# KiCad board MCU_Bottom.kicad_pcb (continued)
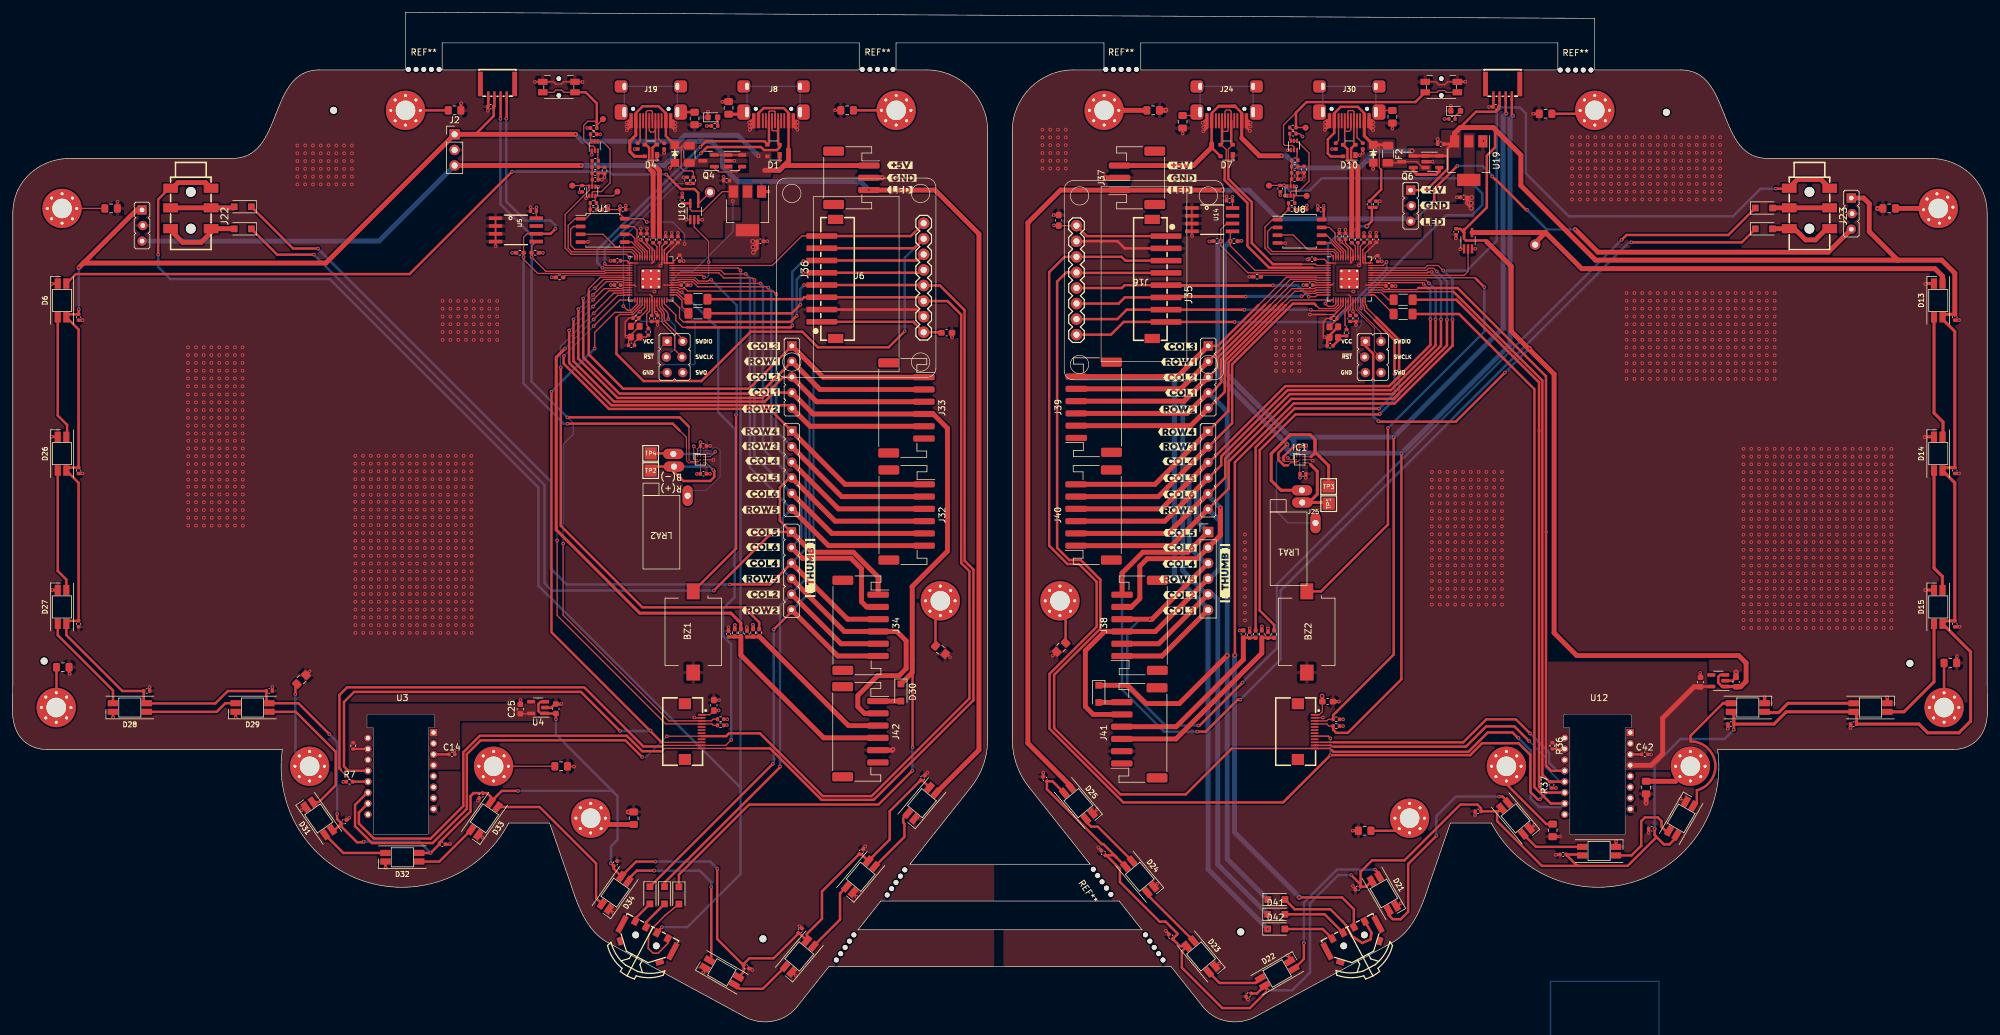
[diagram p0: board, top side]
## Routing (per net, layer and track width the routed paths; a pad name or vN(x,y) marks a point on that pad's centre or on a via; arc(x,y) is an arc through that point) (continued)
/Left/FLASH_nCS: length 21.6
  Top w0.2: U2.56 101.52,125.13 100.91,125.74 91.24,125.74 90.64,126.34 90.64,130.04 91.74,131.14 U1.1 93.47,131.14 94.23,131.91 R2.2 R34.1
/Left/FLASH_SCK: length 5.8
  Top w0.2: U1.6 100.85,128.6 101.51,127.94 101.51,127.34 103.12,125.73 U2.52
/Left/FLASH_SD0: length 4.4
  Top w0.2: U2.53 102.72,125.63 101.02,127.33 U1.5
/Left/FLASH_SD1: length 16.5
  Top w0.2: U2.55 101.92,125.28 101.06,126.14 91.69,126.14 91.04,126.79 91.04,129.41 91.5,129.87 92.66,129.87
/Left/FLASH_SD2: length 11.7
  Top w0.2: U1.3 96.32,128.6 98.44,126.49 101.31,126.49 102.32,125.48 U2.54
/Left/FLASH_SD3: length 7.5
  Top w0.2: 99.86,129.87 101.33,129.87 101.86,129.34 101.86,127.46 103.52,125.81 U2.51
/Left/nRST: length 52.2
  Top w0.2: U2.26 105.92,117.21 arc(105.99,116.82) 106.21,116.5 106.67,116.03 arc(106.89,115.71) 106.97,115.33 v1(106.97,114.79) ; TP6.1 91.3,136.55 R26.2 93.88,136.55 Q3.6 94.07,135.77 90.14,131.84 90.14,126.35 91.15,125.34 100.15,125.34 v1(100.64,124.84)
  Bottom w0.2: 102.02,114.77 101.94,114.84 ; 101.94,114.84 102.1,114.68 arc(102.42,114.47) 102.8,114.39 106.15,114.39 arc(106.53,114.47) 106.86,114.68 v1(106.97,114.79) 107.94,113.81 arc(108.05,113.65) 108.09,113.46 108.09,110.24 arc(108.05,110.05) 107.94,109.89 J17.3 ; 101.94,114.84 100.93,115.85 arc(100.72,116.17) 100.64,116.56 v1(100.64,124.84)
/Left/SWITCH: length 23.9
  Top w0.2: 95.3,146.4 95.33,146.4 TP5.1 ; 95.3,146.4 R22.2 ; 95.3,146.4 95.3,146.76 95.02,147.04 93.84,147.04 93.17,146.37 93.17,143.99 94.17,142.99 94.72,142.99 94.97,142.74 Q2.2 ; K1.2 88.29,151.77 88.67,152.14 89.57,152.14 89.94,151.77 K1.2
  Top w0.4: K1.2 93.49,151.77 95.3,149.96 R22.2
/Right/BOOT_R: length 3.4
  Top w0.2: R60.2 208.92,133.88 Q5.3 211.02,134.89 TP10.1
/Right/FLASH_nCS_R: length 21.4
  Top w0.2: U9.56 215.39,124.93 214.94,125.39 205.19,125.39 204.24,126.34 204.24,129.79 205.44,130.99 U8.1 206.41,130.99 R9.2 R60.1
/Right/FLASH_SCK_R: length 5.6
  Top w0.2: U8.6 214.31,128.45 216.99,125.77 U9.52
/Right/FLASH_SD0_R: length 4.7
  Top w0.2: U8.5 215.09,127.18 216.59,125.68 U9.53
/Right/FLASH_SD1_R: length 16.6
  Top w0.2: U9.55 215.79,125.38 215.39,125.79 205.44,125.79 204.69,126.54 204.69,129.09 205.32,129.72 U8.2
/Right/FLASH_SD2_R: length 11.9
  Top w0.2: U9.54 216.19,125.48 215.54,126.14 211.19,126.14 208.84,128.49 206.32,128.49 U8.3
/Right/FLASH_SD3_R: length 7.3
  Top w0.2: U9.51 217.39,125.84 215.69,127.54 215.69,128.78 214.75,129.72 U8.7
/Right/nRST_R: length 77.2
  Top w0.13: v1(219.91,116.56) 219.79,116.68 U9.26
  Top w0.2: TP9.1 204.93,136.58 R52.2 v1(207.35,136.58) 207.73,136.58 207.92,136.39
  Bottom w0.13: 220.49,108.59 220.39,108.59 219.24,109.74 219.24,113.06 219.91,113.74 v1(219.91,116.56)
  Bottom w0.4: v1(207.35,136.58) 208.21,135.71 211.46,135.71 213.49,137.74 237.19,137.74 239.66,135.26 239.66,133.36 237.99,131.69 233.79,131.69 219.91,117.81 v1(219.91,116.56)
/Right/SWITCH_R: length 40.3
  Top w0.2: K2.2 232.29,151.77 232.57,152.04 233.54,152.04 233.82,151.77 K2.2 ; 209.3,148.45 207.26,146.41 207.26,143.34 207.51,143.09 208.74,143.09 208.97,142.86 Q1.2 ; R48.2 210.84,146.02 TP8.1
  Top w0.4: K2.2 228.77,150.17 211.02,150.17 209.3,148.45 R48.2
/SHIELD1: length 10
  Top w0.2: DRILL1.1 FB5.1
/SHIELD2: length 14.5
  Top w0.4: FB6.1 46.16,54.99 v1(46.16,53.59)
  Bottom w0.4: v1(46.16,53.59) 46.16,44.15 DRILL2.1
/SHIELD3: length 13.2
  Top w0.4: FB7.1 250.12,32.4 243.6,38.92 DRILL3.1
/SHIELD4: length 8.2
  Top w0.8: FB8.1 271.16,39.39 DRILL4.1
/SHIELD5: length 6.6
  Top w0.4: DRILL5.1 7.21,51.46 7.21,57.99
/SHIELD6: length 7
  Top w0.2: DRILL6.1 FB10.1
/SHIELD7: length 7
  Top w0.4: DRILL7.1 FB11.1
/SHIELD8: length 7
  Top w0.4: FB12.1 DRILL8.1
/SHIELD9: length 7.7
  Top w0.4: DRILL9.1 150.53,68.03 FB13.1
/SHIELD10: length 7.6
  Top w0.8: 101.48,32.33 95.31,32.33 94.28,33.36
/SHIELD11: length 7.3
  Top w0.4: DRILL11.1 314.96,51.42 FB15.1
/SHIELD12: length 7
  Top w0.8: FB16.1 DRILL12.1
/SHIELD13: length 7.2
  Top w0.4: DRILL13.1 257.46,148.26 FB17.1
/SHIELD14: length 7
  Top w0.8: DRILL14.1 FB18.1
/SHIELD15: length 7.2
  Top w0.4: FB19.1 171.73,67.9 DRILL15.1
/SHIELD16: length 7.2
  Top w0.4: FB20.1 225.78,31.31 DRILL16.1
AUDIO: length 62.4
  Top w0.13: 111.87,120.99 111.34,121.52 U2.36
  Top w0.2: v1(113.96,121.19) 113.69,121.19 113.46,120.96 111.89,120.96 111.76,121.09
  Top w0.4: v1(118.01,99.14) 118.01,77.35 BZ1.1
  Bottom w0.4: v1(118.01,99.14) 118.11,99.24 118.11,117.04 v1(113.96,121.19)
AUDIO_R: length 82.6
  Top w0.2: U9.36 238.48,121.52 238.92,121.07
  Top w0.4: 238.61,121.39 v1(240.01,119.99) ; BZ2.1 213.39,70.36 224.29,81.26 v1(224.29,97.01)
  Bottom w0.4: v1(240.01,119.99) 240.01,112.74 v1(224.29,97.01)
col1: length 194.8
  Top w0.2: v1(94.69,117.92) 96.52,119.74 99.44,119.74 99.62,119.92 U2.11
  Top w0.4: v1(146.76,41.11) 141.24,35.59 120.14,35.59 108.69,24.14 D5.1 ; v1(91.49,114.72) 91.49,107.92 98.09,101.32 122.69,101.32 124.15,102.78 J4.4 ; 146.74,59.06 146.79,59.01 v1(146.79,44.91)
  Top w0.8: J4.4 130.61,99.29 J33.4 150.16,99.29 152.49,96.96 152.49,76.91 146.71,71.14 146.74,71.11 146.74,57.11 D30.1
  Bottom w0.2: v1(94.69,117.92) v1(91.49,114.72)
  Bottom w0.4: v1(146.76,41.11) 146.76,44.89 v1(146.79,44.91)
col1_R: length 163.9
  Top w0.2: 206,117.07 208.67,119.74 212.32,119.74 212.49,119.92 U9.11
  Top w0.4: 195.53,102.63 197.09,104.49 197.09,108.16 206,117.07 ; 195.37,102.78 J11.4
  Top w0.8: J39.3 191.6,99.39 J11.4 ; D12.1 181.86,55.04 184.84,52.06 190.27,52.06 v2(198.09,59.88)
  Bottom w0.8: J11.4 198.09,99.68 v2(198.09,59.88) 198.09,26.71 v1(204.71,20.09)
col2: length 192.1
  Top w0.2: U2.9 99.62,120.72 99.44,120.89 96.87,120.89 v1(94.69,118.72)
  Top w0.4: v1(125.19,41.79) 125.19,41.69 106.34,22.84 D39.1 ; v1(92.29,116.42) 92.29,108.32 98.69,101.92 122.29,101.92 125.69,105.32 J4.3
  Top w0.8: J4.3 131.15,101.29 J33.3 ; J1.5 135.13,61.82 J34.5
  Bottom w0.2: v1(94.69,118.72) 92.39,116.42 v1(92.29,116.42)
  Bottom w0.4: v1(125.19,41.79) 125.16,41.81 125.16,68.01 J1.5 127.05,70.05 129.99,72.99 129.99,102.45 J4.3
col2_R: length 163.2
  Top w0.2: 205.11,117.06 208.97,120.92 212.32,120.92 212.52,120.72 U9.9
  Top w0.4: 205.11,117.06 196.49,108.44 196.49,106.81 J11.3
  Top w0.8: J38.2 186.9,61.82 J7.5 ; J11.3 191.06,101.39 J39.4
  Bottom w0.8: J11.3 190.84,101.16 190.84,73.76 194.72,69.88 J7.5 195.7,69.88 196.54,69.04 196.54,25.84 v1(204.69,17.69)
col3: length 198.2
  Top w0.2: 93.99,119.32 93.99,119.72 95.87,121.59 99.74,121.59 99.82,121.52 U2.7
  Top w0.4: J1.6 127.05,67.05 v1(124.14,64.14) ; J4.1 120.13,103.42 99.59,103.42 93.99,109.02 93.99,119.32 ; v1(124.01,42.24) D40.1
  Top w0.8: J1.6 134.59,59.82 J34.6 ; J33.1 132.23,105.29 J4.1
  Bottom w0.4: v1(124.01,42.24) 124.14,42.36 v1(124.14,64.14) ; J4.1 130.64,106.88 130.64,70.81 127.18,67.36 J1.6
col3_R: length 168.7
  Top w0.2: U9.7 212.69,121.52 212.59,121.62 207.76,121.62 203.19,117.05
  Top w0.4: 203.19,117.05 196.53,110.4 J11.1
  Top w0.8: J7.6 187.44,59.82 J38.1 ; J11.1 189.98,105.39 J39.6
  Bottom w0.8: J11.1 189.46,104.87 189.46,73.01 194.97,67.51 J7.6 194.97,25.01 v1(204.69,15.29)
col4: length 230.7
  Top w0.2: v1(123.24,119.89) 123.09,120.04 111.77,120.04 110.94,120.87 108.77,120.87 108.62,120.72 U2.34
  Top w0.4: J1.3 123.56,71.49 v1(116.99,71.49) ; v1(49.85,126.29) 45.79,126.29 D43.1
  Top w0.8: J32.3 134.7,83.82 J5.3 ; J34.3 136.21,65.82 J1.3
  Bottom w0.4: v1(123.24,119.89) 123.77,119.37 123.77,94.64 126.98,91.43 J5.3 129.39,89.13 129.39,77.31 127.05,74.98 J1.3 ; v1(49.85,126.29) 49.85,126.23 87.79,88.29 87.79,74.09 90.39,71.49 v1(116.99,71.49)
col4_R: length 284.9
  Top w0.2: U9.34 229.88,120.72 v1(230.11,120.49)
  Top w0.25: J13.3 195.19,91.39
  Top w0.4: v1(231.22,114.76) 231.22,110.54 224.51,103.84 207.56,103.84 195.11,91.39 J13.3 ; v1(200.59,55.49) 193.59,48.49 v1(193.39,48.49) ; v1(262.39,127.69) 263.19,128.49 279.79,128.49 D45.1
  Top w0.8: J7.3 185.82,65.82 v1(185.46,65.82) J38.4 ; J40.4 187.38,83.82 J13.3
  Bottom w0.4: v1(185.46,65.82) 183.91,65.82 181.79,63.69 181.79,54.69 187.99,48.49 v1(193.39,48.49) ; v1(230.11,120.49) 231.22,119.38 v1(231.22,114.76) ; v1(200.59,55.49) 206.19,61.09 206.19,71.49 v1(262.39,127.69)
  Bottom w0.8: J13.3 191.89,88.32 191.89,77.59 194.52,74.96 J7.3
col5: length 230.2
  Top w0.2: v1(121.99,120.59) 111.77,120.59 111.14,121.22 108.59,121.22 108.49,121.12 U2.35
  Top w0.4: 126.56,88.89 J5.4 126.74,88.89 125.14,87.29 125.14,81.89 126.97,80.06 J1.1 123.96,80.06 v1(114.39,70.49) ; v1(49.19,125.29) 43.19,125.29 D44.1
  Top w0.8: J32.4 134.16,81.82 J5.4 ; J1.1 130.37,76.74 137.14,76.74 141.17,72.71 J34.1
  Bottom w0.4: v1(121.99,120.59) 122.39,120.19 122.39,93.58 J5.4 ; v1(114.39,70.49) 87.99,70.49 86.79,71.69 86.79,87.69 v1(49.19,125.29)
col5_R: length 287.4
  Top w0.2: U9.35 230.49,121.12 v1(230.99,120.62)
  Top w0.4: v1(200.19,52.69) 199.79,52.69 194.59,47.49 v1(193.19,47.49) ; v1(263.99,127.29) 281.99,127.29 D46.1 ; J13.4 195.02,88.85 197.11,90.94 197.11,92.36 207.94,103.19 224.76,103.19 232.06,110.48 v1(232.06,114.74)
  Top w0.8: J40.3 187.92,81.82 J13.4 ; J7.1 191.67,76.74 184.34,76.74 180.94,73.34 v1(180.94,72.73) J38.6
  Bottom w0.4: v1(180.94,72.73) 180.94,54.33 187.79,47.49 v1(193.19,47.49) ; v1(230.99,120.62) 232.06,119.55 v1(232.06,114.74) ; v1(263.99,127.29) 263.59,127.29 206.79,70.49 206.79,59.29 v1(200.19,52.69)
  Bottom w0.8: J7.1 193.06,81.94 193.06,86.95 J13.4
col6: length 107
  Top w0.2: U2.38 115.18,122.32 116.01,121.49 120.67,121.49 v1(121.02,121.14)
  Top w0.8: J1.2 128.8,75.76 136.74,75.76 138.46,74.04 138.46,68.66 139.31,67.82 J34.2 ; J5.5 133.62,79.82 J32.5
  Bottom w0.4: v1(121.02,121.14) 121.02,92.42 J5.5 128.66,84.77 128.66,79.21 127.05,77.6 J1.2
col6_R: length 128.4
  Top w0.2: U9.38 230.69,122.32 230.84,122.46 v1(231.44,122.46)
  Top w0.4: v1(232.94,114.74) 232.94,110.41 225.06,102.54 208.29,102.54 197.76,92.01 197.76,88.91 195.16,86.31 J13.5
  Top w0.8: J13.5 188.46,79.82 J40.2 ; v1(196.99,83.99) 196.99,79.51 194.97,77.5 J7.2 193.16,75.69 185.04,75.69 183.84,74.49 183.84,69.19 182.46,67.82 J38.5
  Bottom w0.4: v1(231.44,122.46) 232.94,120.96 v1(232.94,114.74)
  Bottom w0.8: v1(196.99,83.99) 194.96,86.02 J13.5
COMMS+: length 51.1
  Top w0.2: U2.3 96.24,123.12 v1(96.22,123.14) ; J8.A6 124.37,148.61 124.29,148.69 123.49,148.69 123.37,148.57 J8.B6
  Top w0.4: v1(112.19,142.86) 113.11,143.79 122.64,143.79 123.12,143.31 D1.3 123.37,143.46 J8.B6
  Bottom w0.4: v1(112.19,142.86) 95.39,126.06 95.39,123.97 v1(96.22,123.14)
COMMS+_R: length 41.8
  Top w0.2: U9.3 212.05,123.12 212.01,123.16 ; J24.B6 197.24,145.53 197.39,145.39 198.09,145.39 198.24,145.54 J24.A6 ; 197.67,140.37 197.92,140.62 197.92,142.42 197.12,143.21 D7.3 197.17,143.21
  Top w0.4: 197.67,140.37 197.67,137.42 201.39,133.7 201.39,126.69 204.92,123.16 212.01,123.16 ; D7.3 197.24,143.46 J24.B6
COMMS-: length 50.9
  Top w0.2: U2.2 96.87,123.52 v1(96.59,123.79) ; J8.B7 124.87,145.67 124.69,145.49 123.99,145.49 123.87,145.61 J8.A7
  Top w0.4: v1(112.26,141.81) 113.29,142.84 122.06,142.84 122.56,142.34 124.69,142.34 125.12,142.77 D1.2 124.87,143.46 J8.B7
  Bottom w0.4: v1(96.59,123.79) 96.59,126.12 112.26,141.79 v1(112.26,141.81)
COMMS-_R: length 40.2
  Top w0.2: 198.27,140.22 198.27,142.48 D7.2 ; U9.2 212.7,123.52 212.48,123.74 210.14,123.74 ; J24.B7 198.74,148.63 198.49,148.89 197.99,148.89 197.74,148.64 J24.A7
  Top w0.4: J24.B7 198.74,143.46 D7.2 ; 198.27,140.22 198.27,137.67 202.09,133.85 202.09,127.19 205.55,123.73 210.13,123.73 210.14,123.74
D+: length 23.8
  Top w0.2: J19.B6 103.37,148.57 103.59,148.79 104.19,148.79 104.37,148.61 J19.A6
  Top w0.25: D4.3 103.37,143.46 J19.B6
  Top w0.4: D4.3 103.34,143.21 103.84,142.71 103.84,139.34 103.96,139.21
  Top w0.8: R3.1 104.49,138.69 103.96,139.21
D+_R: length 23.8
  Top w0.2: J30.A6 218.24,145.64 217.99,145.39 217.49,145.39 217.24,145.63 J30.B6
  Top w0.25: J30.B6 217.24,143.46 D10.3
  Top w0.4: D10.3 217.69,142.51 217.69,140.59 218.49,139.79 218.49,139.59 218.39,139.49
  Top w0.8: R10.1 218.39,139.49
D-: length 24.3
  Top w0.2: J19.A7 103.87,145.51 104.09,145.29 104.59,145.29 104.87,145.57 J19.B7
  Top w0.25: D4.2 104.87,143.46 J19.B7
  Top w0.4: D4.2 104.91,143.21 104.39,142.69 104.39,139.94 104.59,139.74 104.76,139.74
  Top w0.8: 104.76,139.74 105.52,138.98 R4.1
D-_R: length 23.9
  Top w0.2: J30.B7 218.74,148.63 218.59,148.79 217.89,148.79 217.74,148.64 J30.A7
  Top w0.25: J30.B7 218.74,143.46 D10.2
  Top w0.4: 219.39,139.59 219.39,139.69 218.29,140.79 218.29,142.59 218.91,143.21 D10.2
  Top w0.8: R19.1 219.39,139.58 219.39,139.59
DC: length 55.1
  Top w0.2: U2.27 106.32,117.29 108.19,115.42 108.19,114.52 109.29,113.42 109.99,113.42
  Top w0.4: 109.99,113.42 126.89,113.42 v1(127.19,113.72) ; v1(128.99,124.22) 131.88,124.22 J36.6 147.6,124.33 J6.6
  Bottom w0.4: v1(128.99,124.22) 128.89,124.22 127.19,122.52 v1(127.19,113.72)
DC_R: length 41.8
  Top w0.2: U9.13 212.64,119.12 212.49,118.97 210.87,118.97 210.39,118.49 v1(210.19,118.49)
  Top w0.4: 173.51,117.31 180.38,117.31 181.38,118.31 J35.6
  Top w0.5: v1(201.08,118.45) 188.26,118.45 J35.6
  Bottom w0.5: v1(210.19,118.49) 210.17,118.47 201.1,118.47 v1(201.08,118.45)
ENCA: length 84.2
  Top w0.2: U2.13 99.77,119.12 99.67,119.02 98.09,119.02 v1(94.79,115.72)
  Top w0.4: R33.2 121.79,65.31 119.34,67.76 102.74,67.76 89.44,81.06 v1(89.44,106.89)
  Bottom w0.2: v1(89.44,106.89) 89.36,106.96 89.36,110.29 v1(94.79,115.72)
ENCA1: length 27.4
  Top w0.5: C38.1 121.7,62.93 R33.1
  Top w0.8: R33.1 136.34,48.46 J42.3
ENCA1_R: length 29.9
  Top w0.4: R59.1 202.71,62.8 R58.2
  Top w0.8: J41.4 189.76,48.29 200.71,59.24 200.71,62.78 R58.2
ENCA_R: length 73.5
  Top w0.2: 222.11,114.59 220.46,116.24 220.46,116.81 220.19,117.08 U9.27
  Top w0.4: v1(225.36,105.79) 225.36,111.34 222.11,114.59 ; v1(222.84,100.14) 222.79,100.19 209.06,100.19 202.72,93.84 R59.2
  Bottom w0.4: v1(222.84,100.14) 225.36,102.66 v1(225.36,105.79)
ENCB: length 81.8
  Top w0.2: v1(94.79,114.72) 98.72,118.64 99.82,118.64 99.89,118.72 U2.14
  Top w0.5: v1(90.11,109.96) 88.69,108.54 88.69,80.41 102.29,66.81 117.16,66.81 118.79,65.19 R30.1
  Bottom w0.2: v1(94.79,114.72) 90.11,110.04 v1(90.11,109.96)
ENCB1: length 33
  Top w0.5: C35.1 118.7,62.93 R30.2
  Top w0.8: R30.2 118.79,59.96 132.29,46.46 J42.4
ENCB1_R: length 33.2
  Top w0.4: R56.2 205.73,62.79 R57.2
  Top w0.8: R57.2 203.73,60.28 189.74,46.29 J41.3
ENCB_R: length 74.6
  Top w0.2: 222.34,115.11 220.81,116.64 220.81,116.99 220.59,117.21 U9.28
  Top w0.4: R56.1 205.74,64.88 203.39,67.24 203.39,93.39 209.21,99.21 222.89,99.21 v1(222.99,99.31) ; 222.34,115.11 226.11,111.34 v1(226.11,106.39)
  Bottom w0.4: v1(226.11,106.39) 226.11,102.44 v1(222.99,99.31)
LCD_BL: length 43.9
  Top w0.2: U2.41 123.92,123.52 128.74,128.34 131.97,128.34 J36.8
  Top w0.4: J6.8 146.5,128.32 132,128.32 J36.8
LCD_BL_R: length 59.1
  Top w0.2: v1(224.06,124.09) 223.48,123.52 U9.41
  Top w0.4: 173.51,112.23 179.12,112.23 181.21,114.31 188.12,114.31 J35.8 199.27,114.31 v1(199.29,114.29)
  Bottom w0.4: v1(224.06,124.09) 224.06,122.86 215.49,114.29 v1(199.29,114.29)
LED_3v: length 16.4
  Top w0.2: U10.2 111.19,129.78 111.19,129.78 113.54,127.43 v1(113.54,124.09) ; v1(112.79,121.59) 112.46,121.92 U2.37
  Bottom w0.2: v1(112.79,121.59) 113.29,121.59 113.54,121.84 113.54,124.08 v1(113.54,124.09)
LED_3v_R: length 19.9
  Top w0.2: U17.2 237.36,126.22 237.36,122.57 236.7,121.92 U9.37
LED_5v: length 116.4
  Top w0.2: J20.1 111.95,133.65 U10.4
  Top w0.4: D6.2 10.36,122.11 64.79,122.11 v1(81.49,138.81) ; U10.4 111.84,135.38 111.24,135.99 108.99,135.99 v1(106.61,138.36)
  Bottom w0.4: v1(81.49,138.81) 97.39,138.81 97.84,138.36 v1(106.61,138.36)
LED_5v_OUT: length 247.6
  Top w0.8: J2.3 92.72,139.82 v1(92.74,139.84) ; v1(139.67,135.82) 150.46,135.82 157.61,128.66 157.61,44.49 150.62,37.5 D38.4
  Bottom w0.4: 138.47,137.02 v1(139.67,135.82) ; 118.12,137.35 118.29,137.19
  Bottom w0.8: 137.49,137.19 138.3,137.19 ; 137.49,137.19 118.29,137.19 ; 137.49,137.19 138.3,137.19 ; 138.3,137.19 v1(139.67,135.82) ; 138.3,137.19 138.47,137.02 ; J2.3 59.79,127.5 J21.3 ; 118.12,137.35 115.81,139.66 115.81,141.86 113.91,143.76 110.26,143.76 106.34,139.84 v1(92.74,139.84)
LED_5v_R: length 83.5
  Top w0.8: 249.99,128.89 248.29,127.19 J31.1 ; 249.99,128.89 U17.4 ; 249.99,128.89 255.89,122.99 313.49,122.99 314.72,121.76 D13.2
LED_5v_R_OUT: length 246
  Top w0.4: v1(231.84,134.01) 231.84,135.99 v1(235.59,139.74) ; v1(241.29,138.04) 241.79,137.54 241.86,137.54 246.81,132.59 v1(246.96,132.59)
  Top w0.8: D25.4 172.58,38.59 165.59,45.59 165.59,130.49 170.92,135.82 J37.1 197.33,135.82 v2(197.34,135.81) ; J10.3 296.09,125.69 258.54,125.69 v1(254.84,129.39)
  Bottom w0.4: J9.3 228.49,130.72 231.79,134.01 v1(231.84,134.01) ; v1(246.96,132.59) 250.16,129.39 v1(254.84,129.39) ; v1(235.59,139.74) 235.61,139.76 239.71,139.76 241.29,138.19 v1(241.29,138.04)
  Bottom w0.8: J9.3 227.59,131.12 206.3,131.12 201.61,135.81 v2(197.34,135.81)
MISO: length 166.1
  Top w0.2: 105.86,45.06 106.04,45.24 J15.11 116.31,45.24 v1(117.21,46.14) ; 53.59,41.26 53.59,41.14 55.4,39.32 R7.2 ; v1(109.17,119.14) 108.87,119.14 108.49,119.52 U2.31
  Top w0.4: 105.86,45.06 102.91,45.06 93.26,54.71 54.59,54.71 53.34,53.46 53.34,41.51 53.59,41.26 ; R7.2 U3.12
  Bottom w0.4: v1(109.17,119.14) 115.09,113.22 115.09,99.56 117.76,96.89 117.76,69.41 115.89,67.54 115.89,63.09 117.21,61.76 v1(117.21,46.14)
MISO_R: length 213.8
  Top w0.2: 234.98,119.24 223.6,119.24 223.32,119.52 U9.31 ; 249.47,42.81 249.47,104.75
  Top w0.25: 249.47,40.47 249.47,42.93 ; 215.46,45.04 215.21,45.04 215.01,45.24 J27.11
  Top w0.4: U12.12 250.61,39.32 249.47,40.47 249.47,104.75 234.98,119.24 ; 215.46,45.04 237.01,45.04 240.31,48.34 244.91,48.34 v1(247.31,45.94)
  Bottom w0.25: U12.12 252.35,39.32 250.09,41.59 250.09,43.16 v1(247.31,45.94)
MOSI: length 239.3
  Top w0.2: J15.8 106.74,46.74 v1(106.71,46.71)
  Top w0.4: v1(102.7,43.32) 99.96,46.06 76.36,46.06 74.11,43.81 74.11,34.89 68.54,29.31 58.64,29.31 55.89,32.06 55.89,35.54 57.89,37.54 U3.11 ; R16.2 128.79,118.02 129.1,118.33 J36.3 147.98,118.33 J6.3 152.49,117.71 154.71,115.49 154.71,74.99 156.06,73.64 156.06,52.91 140.11,36.96 132.16,36.96 121.91,47.21 116.86,47.21 116.39,46.74 J15.8
  Bottom w0.2: v1(106.71,46.71) 103.32,43.32 v1(102.7,43.32)
MOSI_PIN: length 3.1
  Top w0.2: U2.30 108.39,119.12 109.49,118.02 110.24,118.02
MOSI_R: length 392.1
  Top w0.2: 248.93,38.52 248.93,96.38 ; 248.93,104.45 236.01,117.37
  Top w0.25: v1(214.91,46.39) 214.56,46.74 J27.8 ; v1(214.91,43.64) 207.7,36.42
  Top w0.4: 207.85,36.62 207.9,36.62 208.01,36.74 ; v1(249.09,36.44) 248.71,36.44 247.51,37.64 247.51,43.69 245.61,45.59 239.64,45.59 237.69,43.64 v1(214.91,43.64) 208.01,36.74 ; U12.11 249.9,37.54 248.93,38.52 248.93,96.65 ; 235.74,117.64 248.93,104.45 248.93,96.65 ; 235.74,117.64 235.45,117.93 R43.2 ; 235.74,117.64 236.01,117.37 ; 208.01,36.74 207.21,35.94 181.14,35.94 169.12,47.96 169.12,56.9 176.8,64.58 176.8,71.93 173.91,74.81 172.03,74.81 169.06,77.79 169.06,122.43 171.55,124.93 180.87,124.93 181.49,124.31 J35.3 ; 248.93,96.65 248.93,96.38
  Bottom w0.25: 214.91,46.04 v1(214.91,43.64)
  Bottom w0.4: U12.11 250.19,37.54 v1(249.09,36.44)
MOSI_R_PIN_R: length 4.3
  Top w0.2: R43.1 224.37,117.93 223.18,119.12 U9.30
NCS: length 161.8
  Top w0.2: J15.10 105.86,45.74 ; v1(94.96,109.96) 94.96,112.59 98.24,115.87 101.02,115.87 102.32,117.17 U2.17
  Top w0.4: 105.86,45.74 87.91,63.69 v1(87.91,102.94) ; U3.13 54.77,41.1 54.09,41.79 54.09,52.31 55.74,53.96 92.71,53.96 v1(99.09,47.59)
  Bottom w0.2: 87.94,102.94 v1(87.91,102.94)
  Bottom w0.4: v1(99.09,47.59) 103.99,47.59 v1(104.06,47.66) ; v1(94.96,109.96) 87.94,102.94
NCS_R: length 152.7
  Top w0.2: J27.10 213.36,45.74 ; 229.23,119.85 228.96,119.58 223.73,119.58 223.39,119.92 U9.32 ; 250.11,80.11 250.11,80.04
  Top w0.25: 213.36,45.74 215.41,45.74
  Top w0.4: v1(247.46,47.19) 245.16,49.49 240.31,49.49 236.56,45.74 215.41,45.74 ; U12.13 250.92,41.1 250.06,41.97 250.06,79.98 250.11,80.04 250.06,80.09 250.06,105.44 235.65,119.85 229.23,119.85